# Altium PCB NIMBUS_BASEv2_B.PcbDoc (part 1 of 3)
Units mm, origin at the board's own origin, x right, y up, seen from the top; angles counter-clockwise.
Board outline 112.96 x 78 mm, 4 copper layers (Top Layer, Signal Layer 1, GND, Bottom Layer), stack 0.778 mm thick; 176 components, 193 nets, 813 pads, 983 vias.
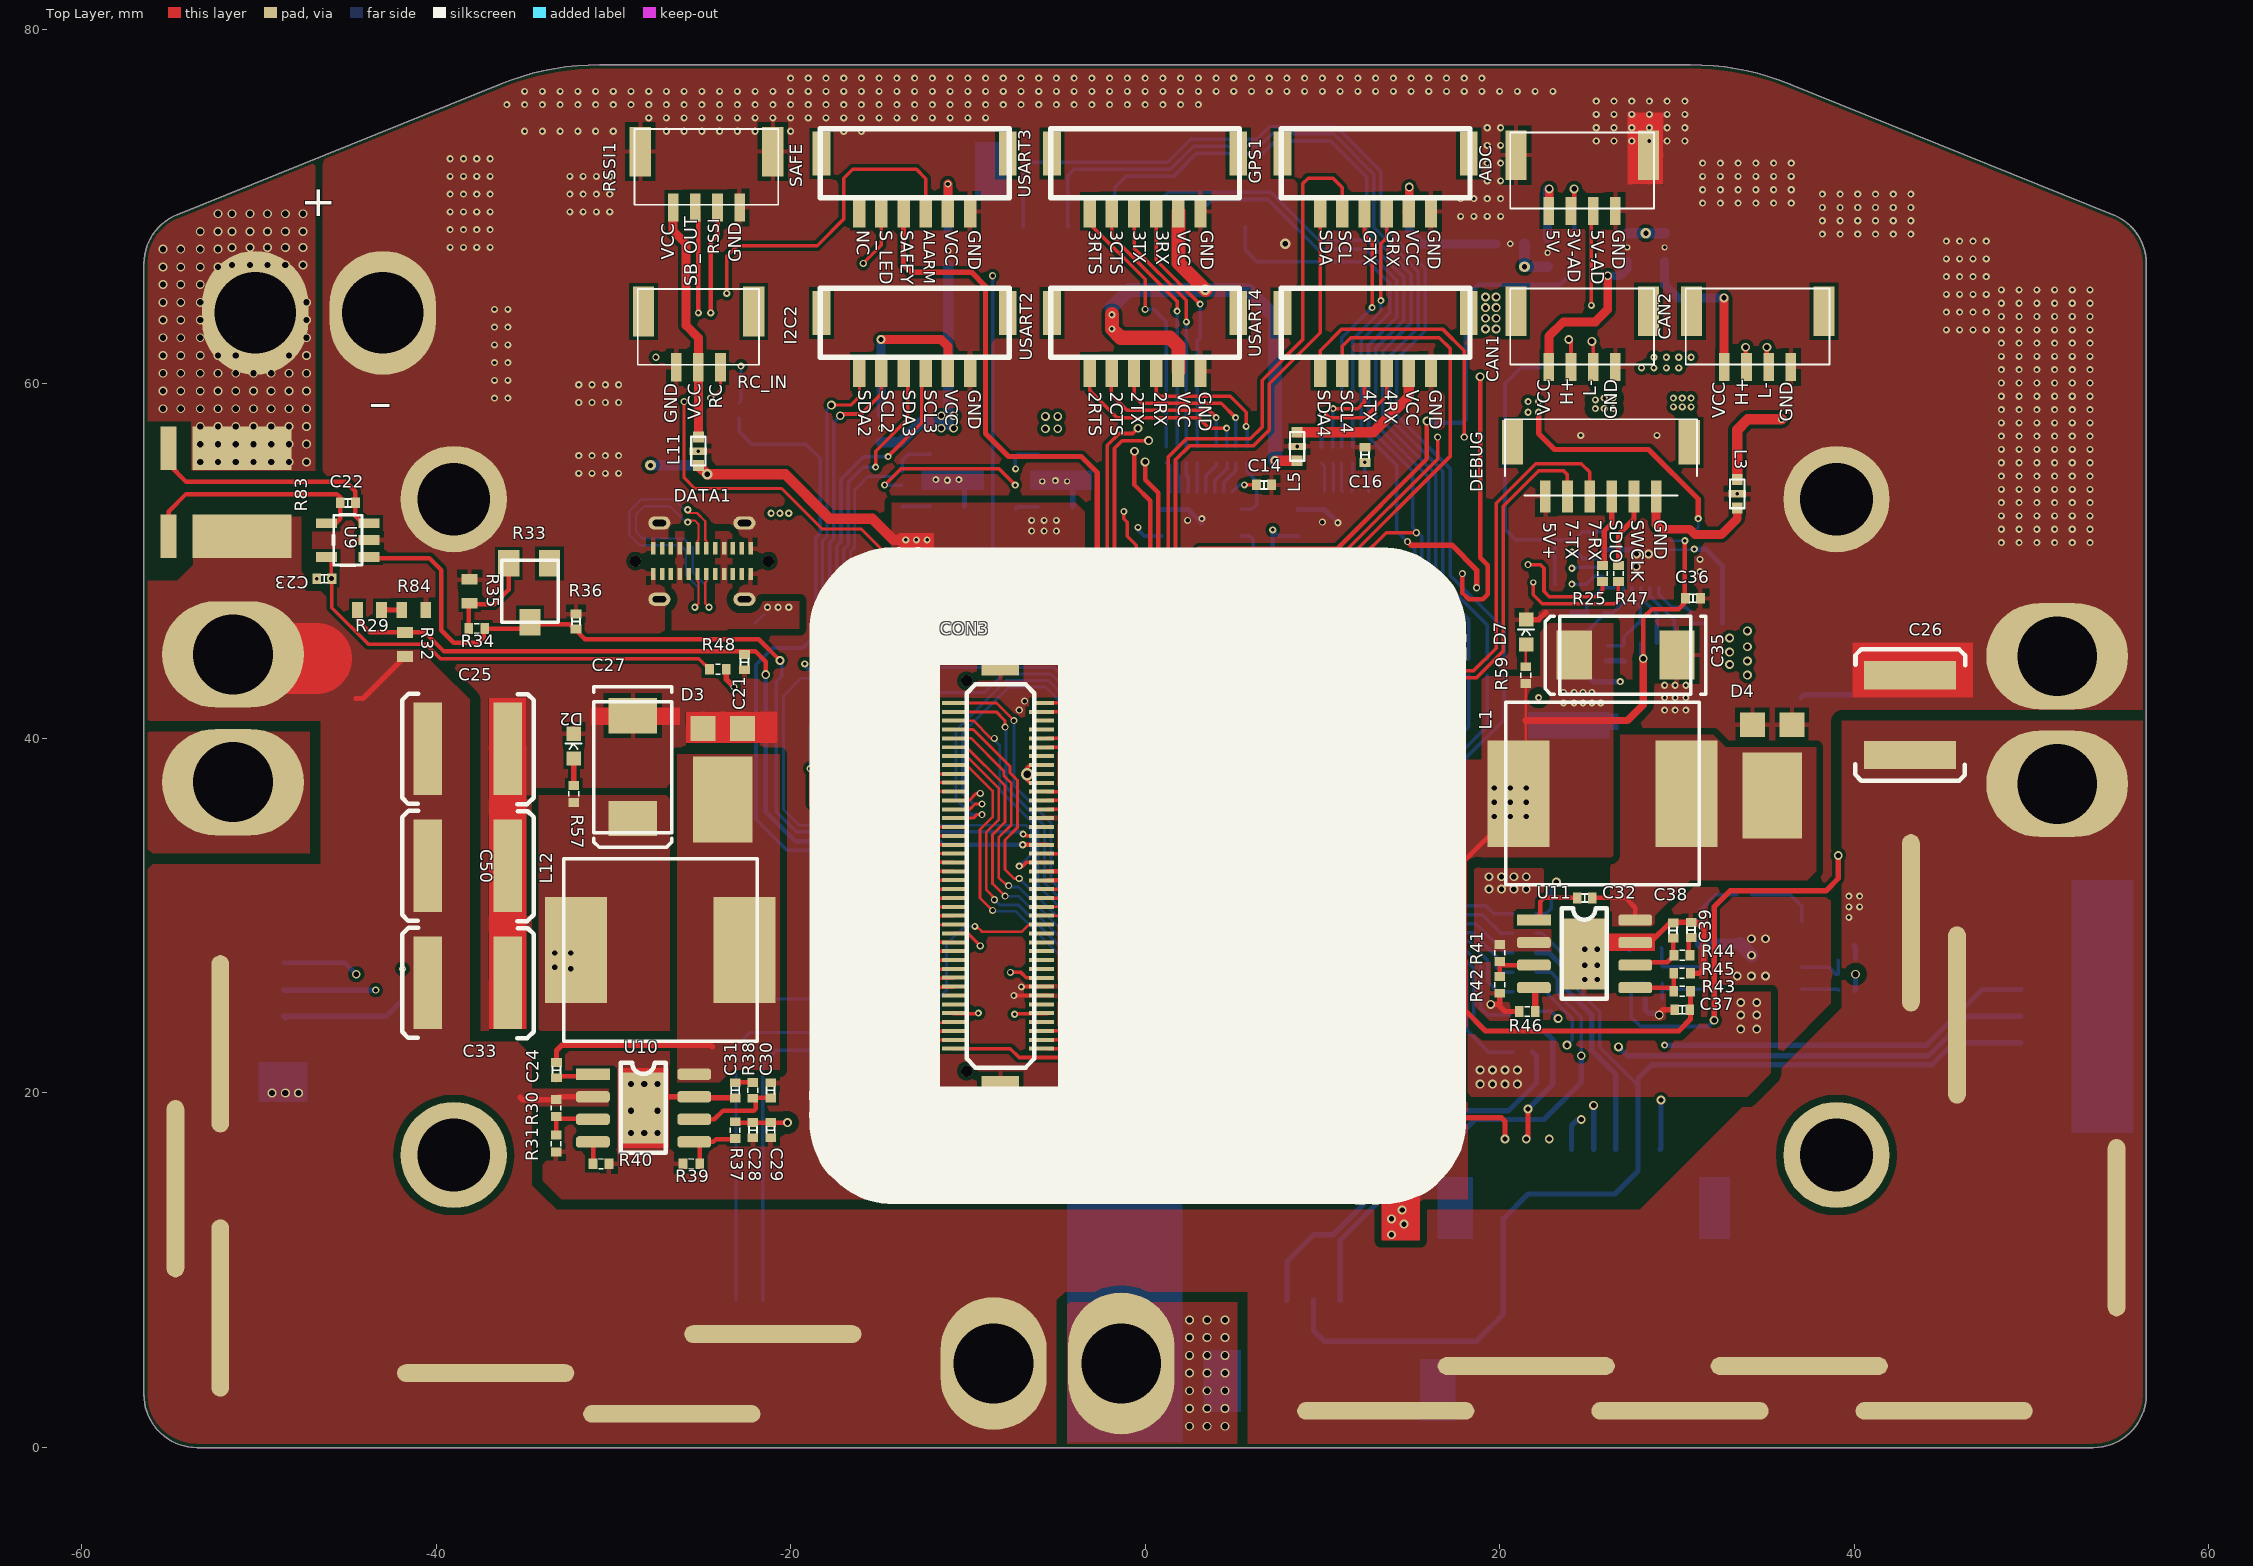
[diagram p0: Top Layer view]
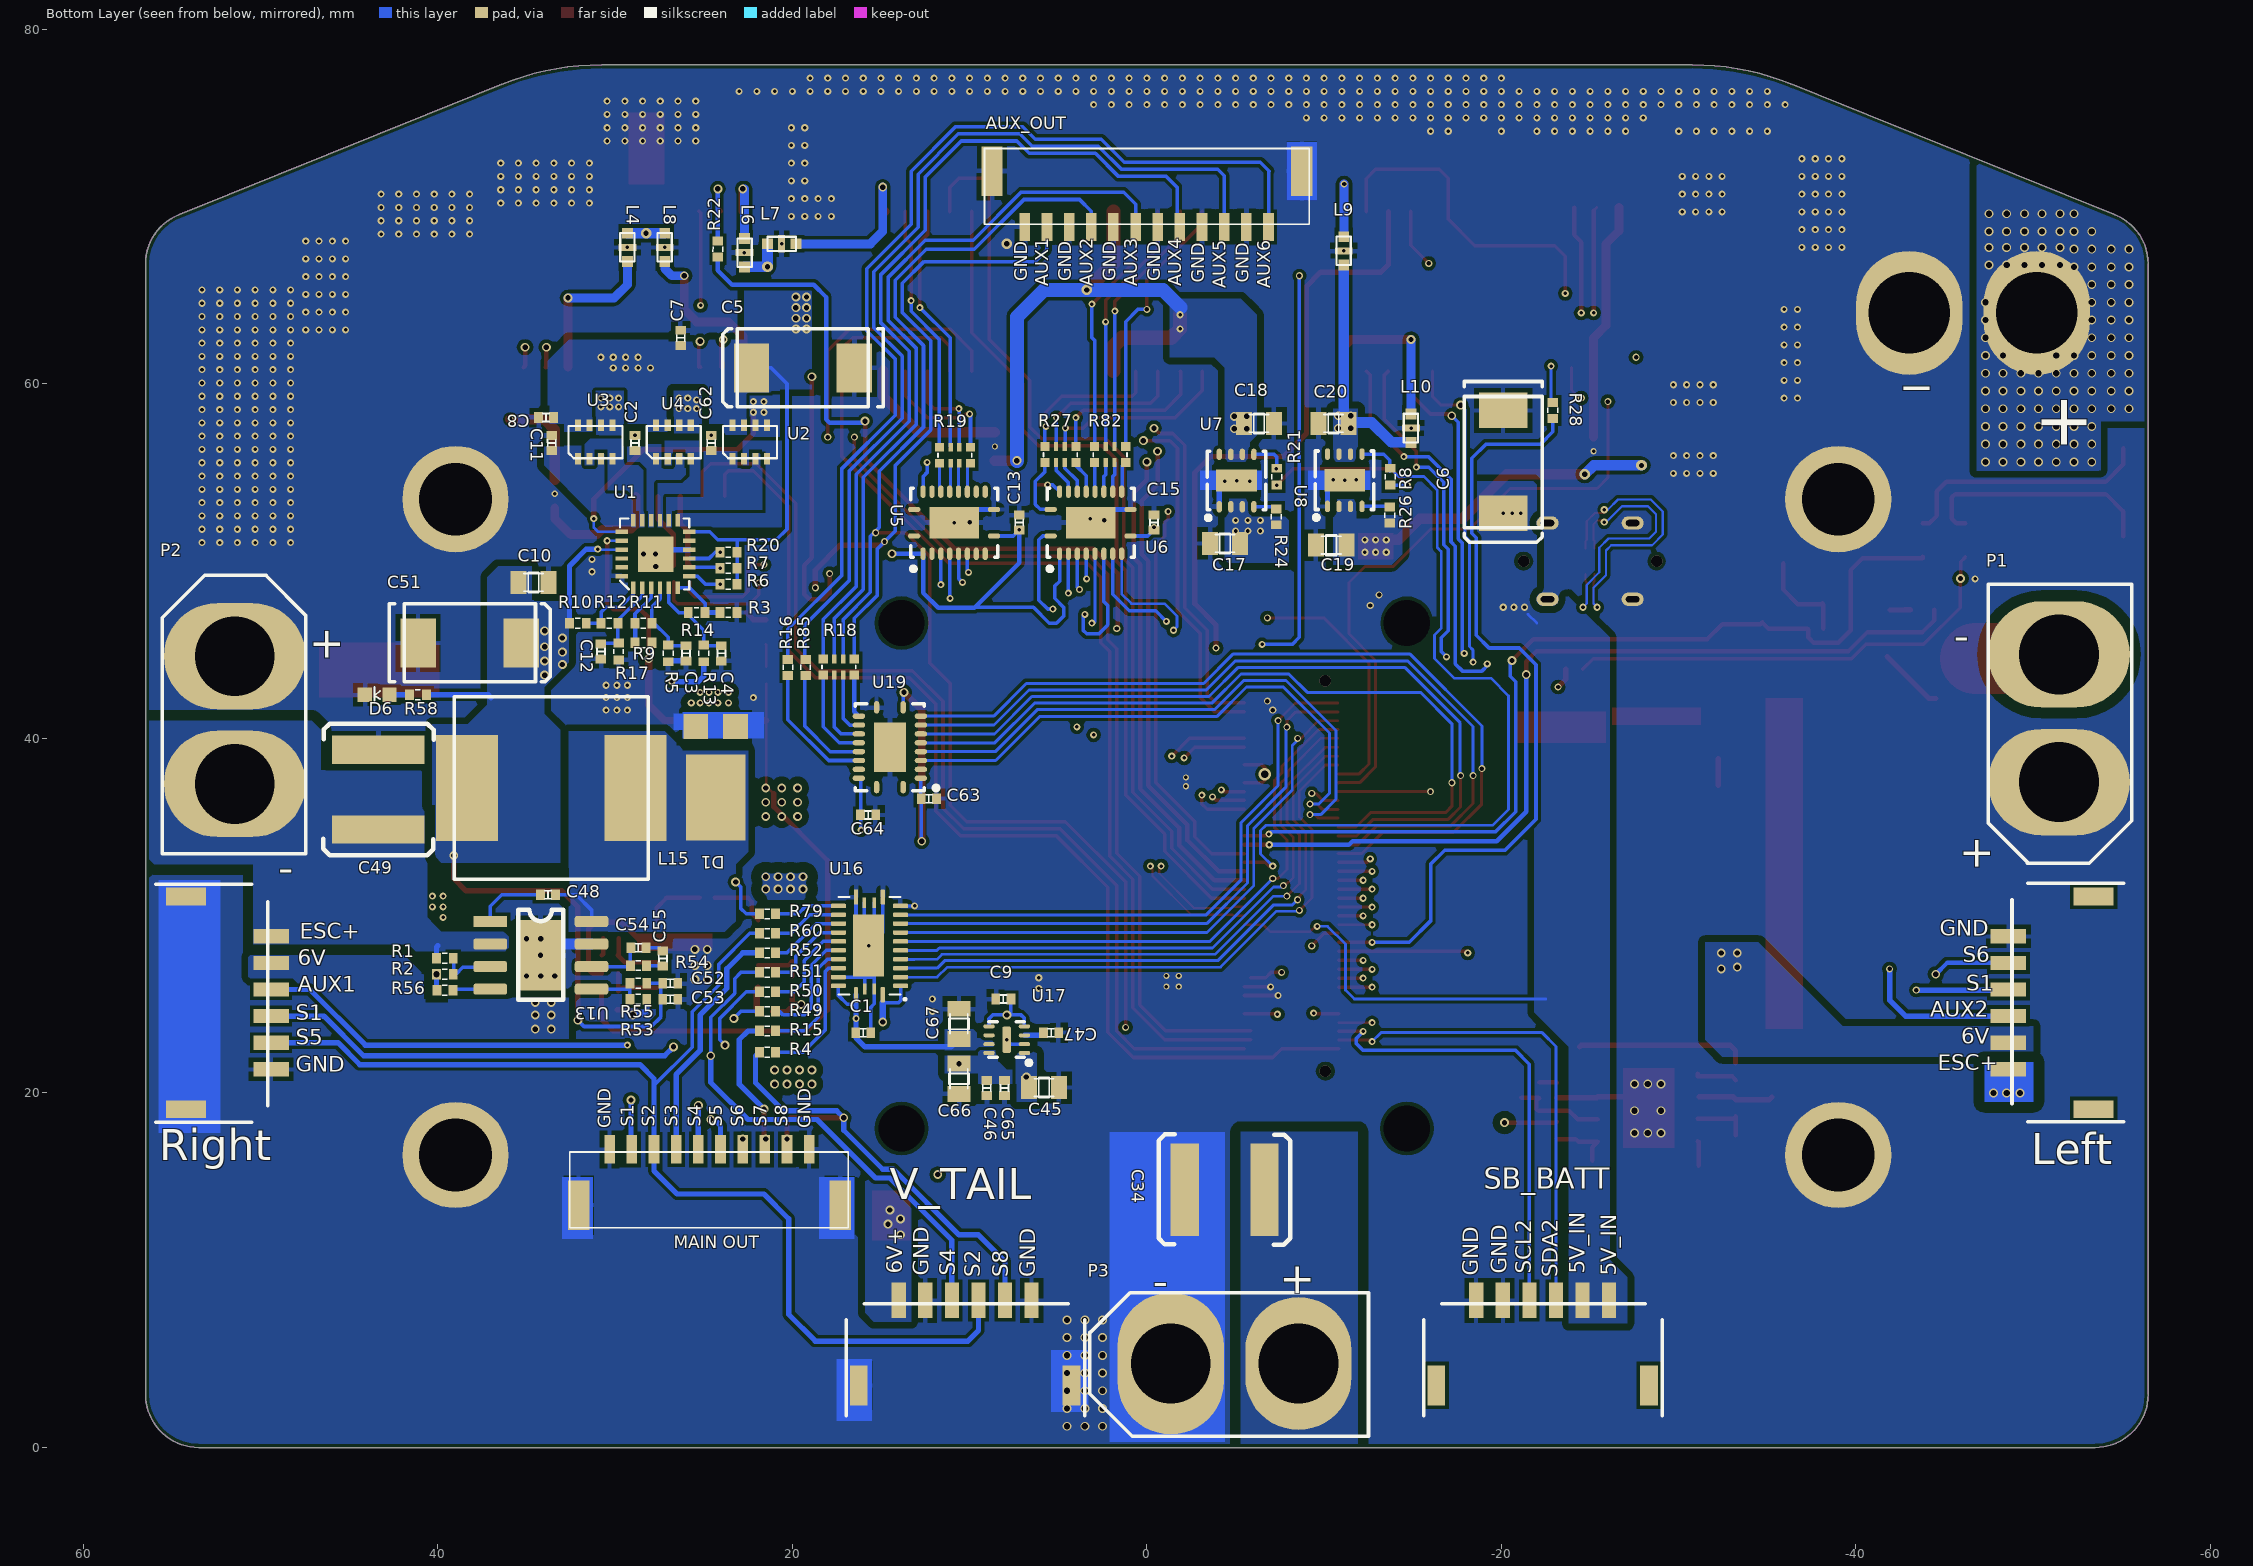
[diagram p1: Bottom Layer view, seen from below]
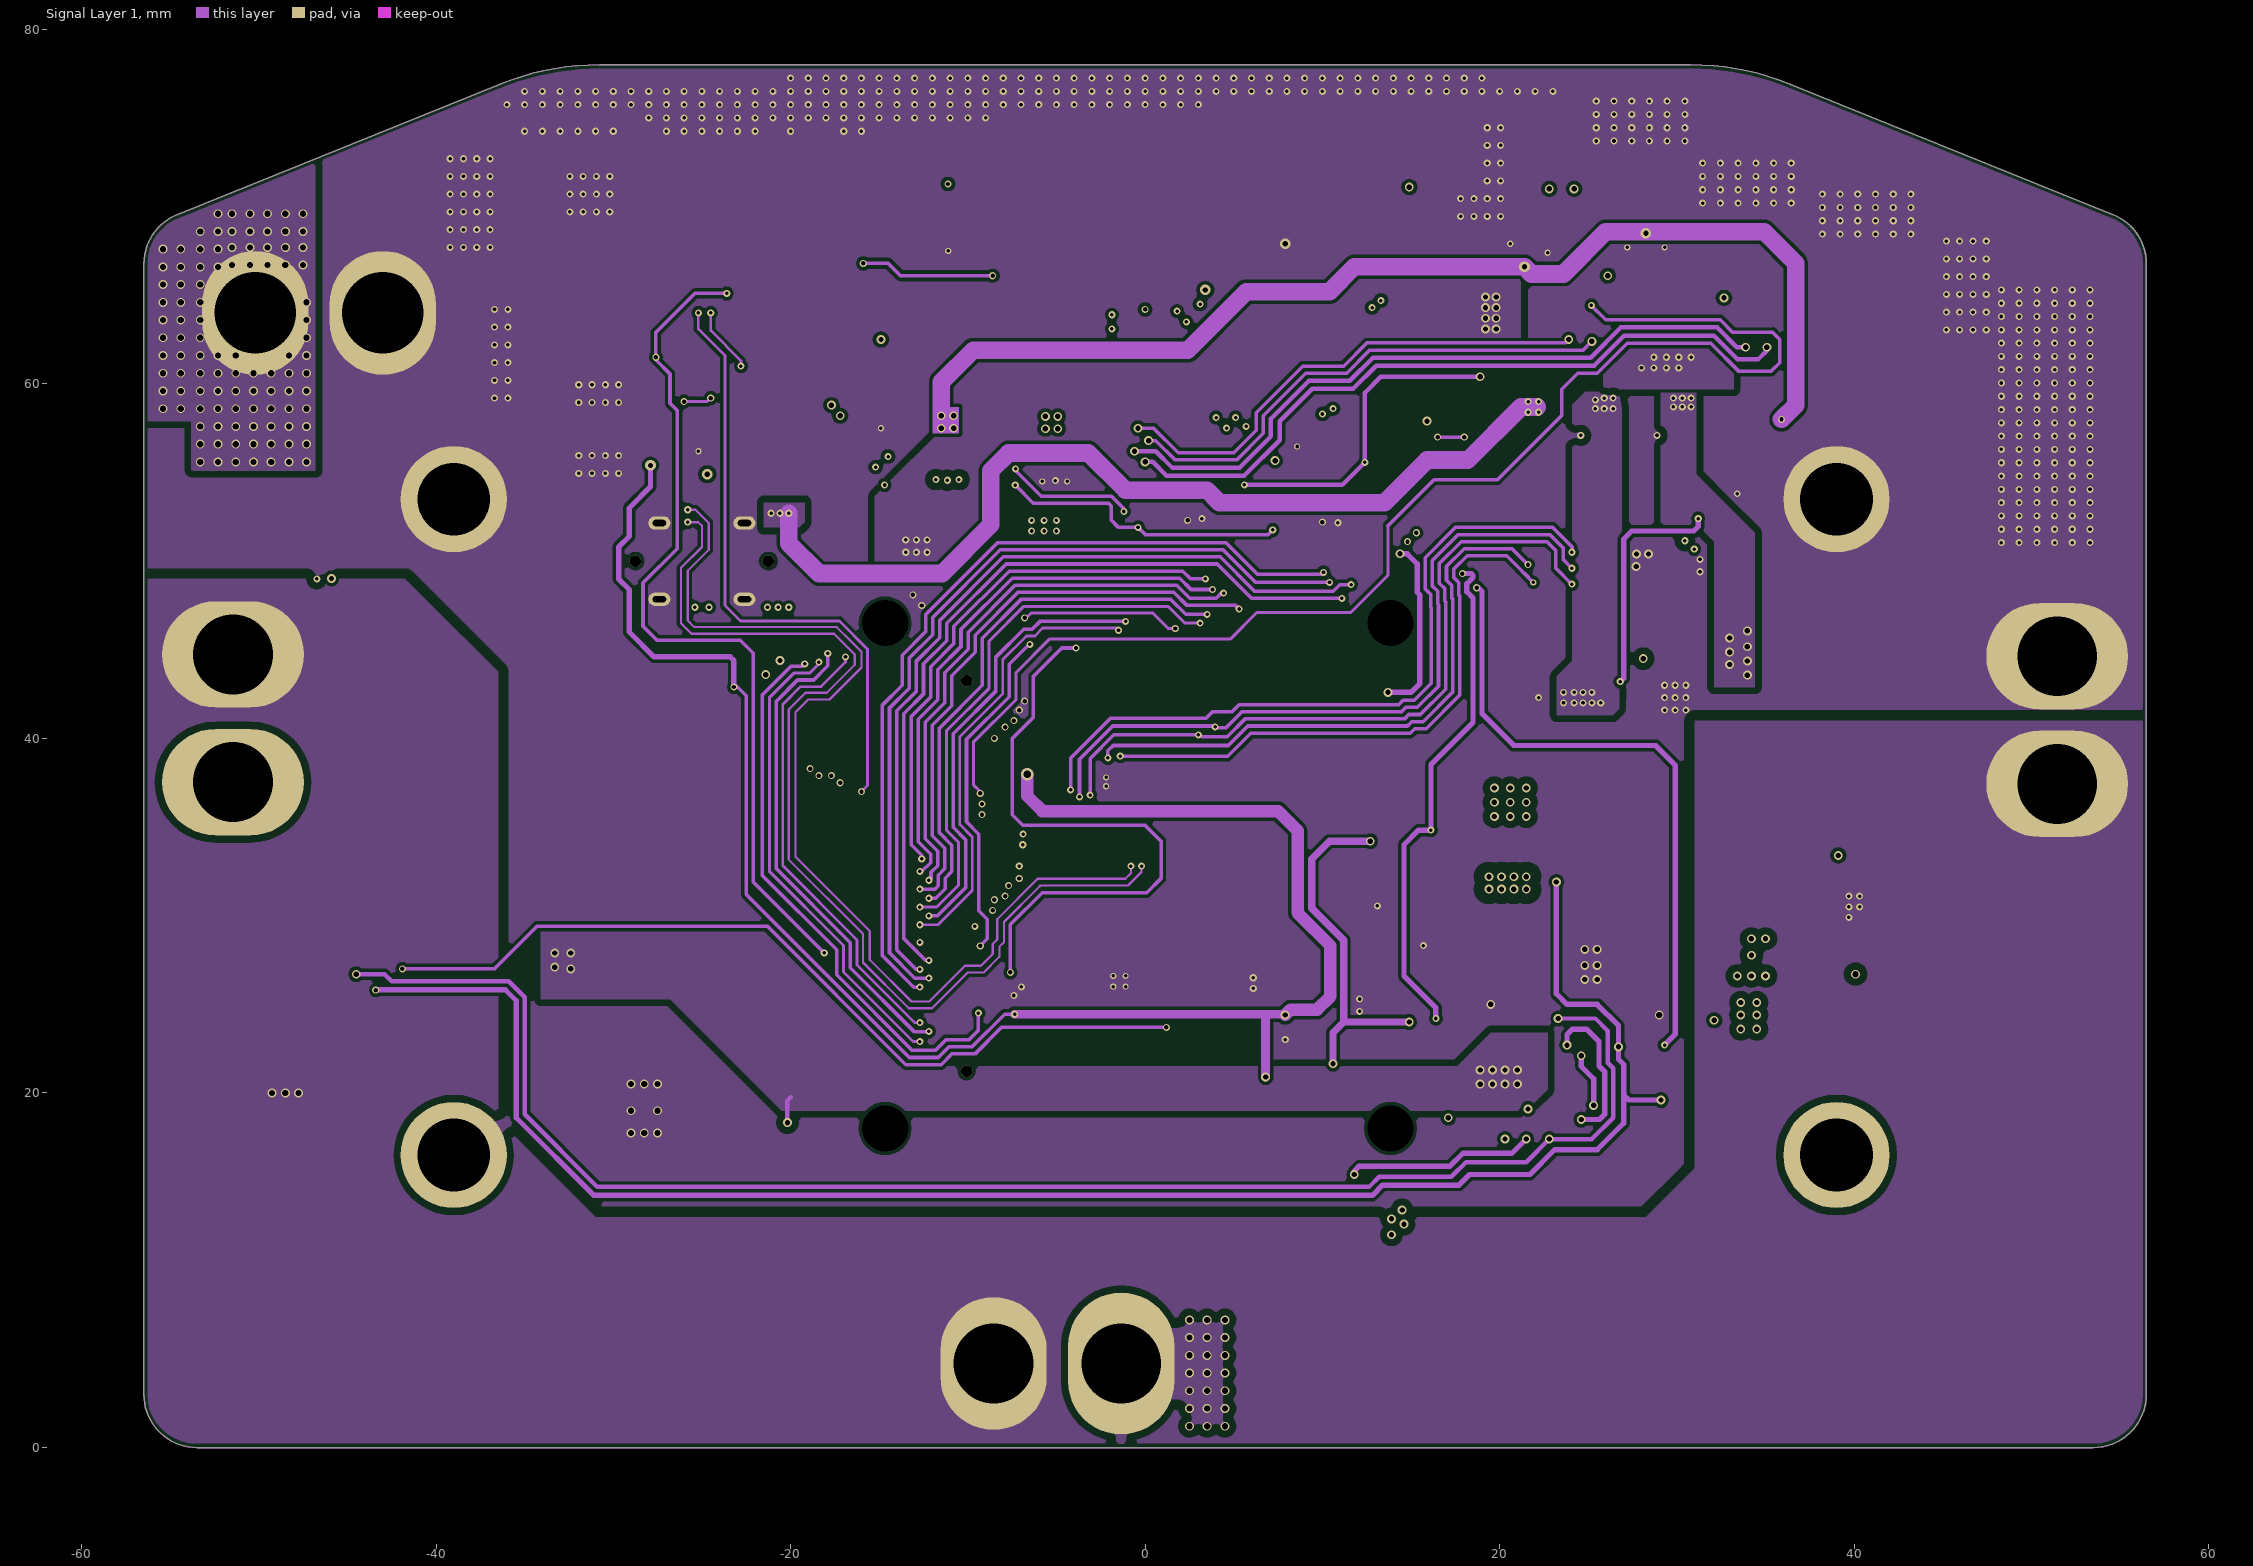
[diagram p2: Signal Layer 1]
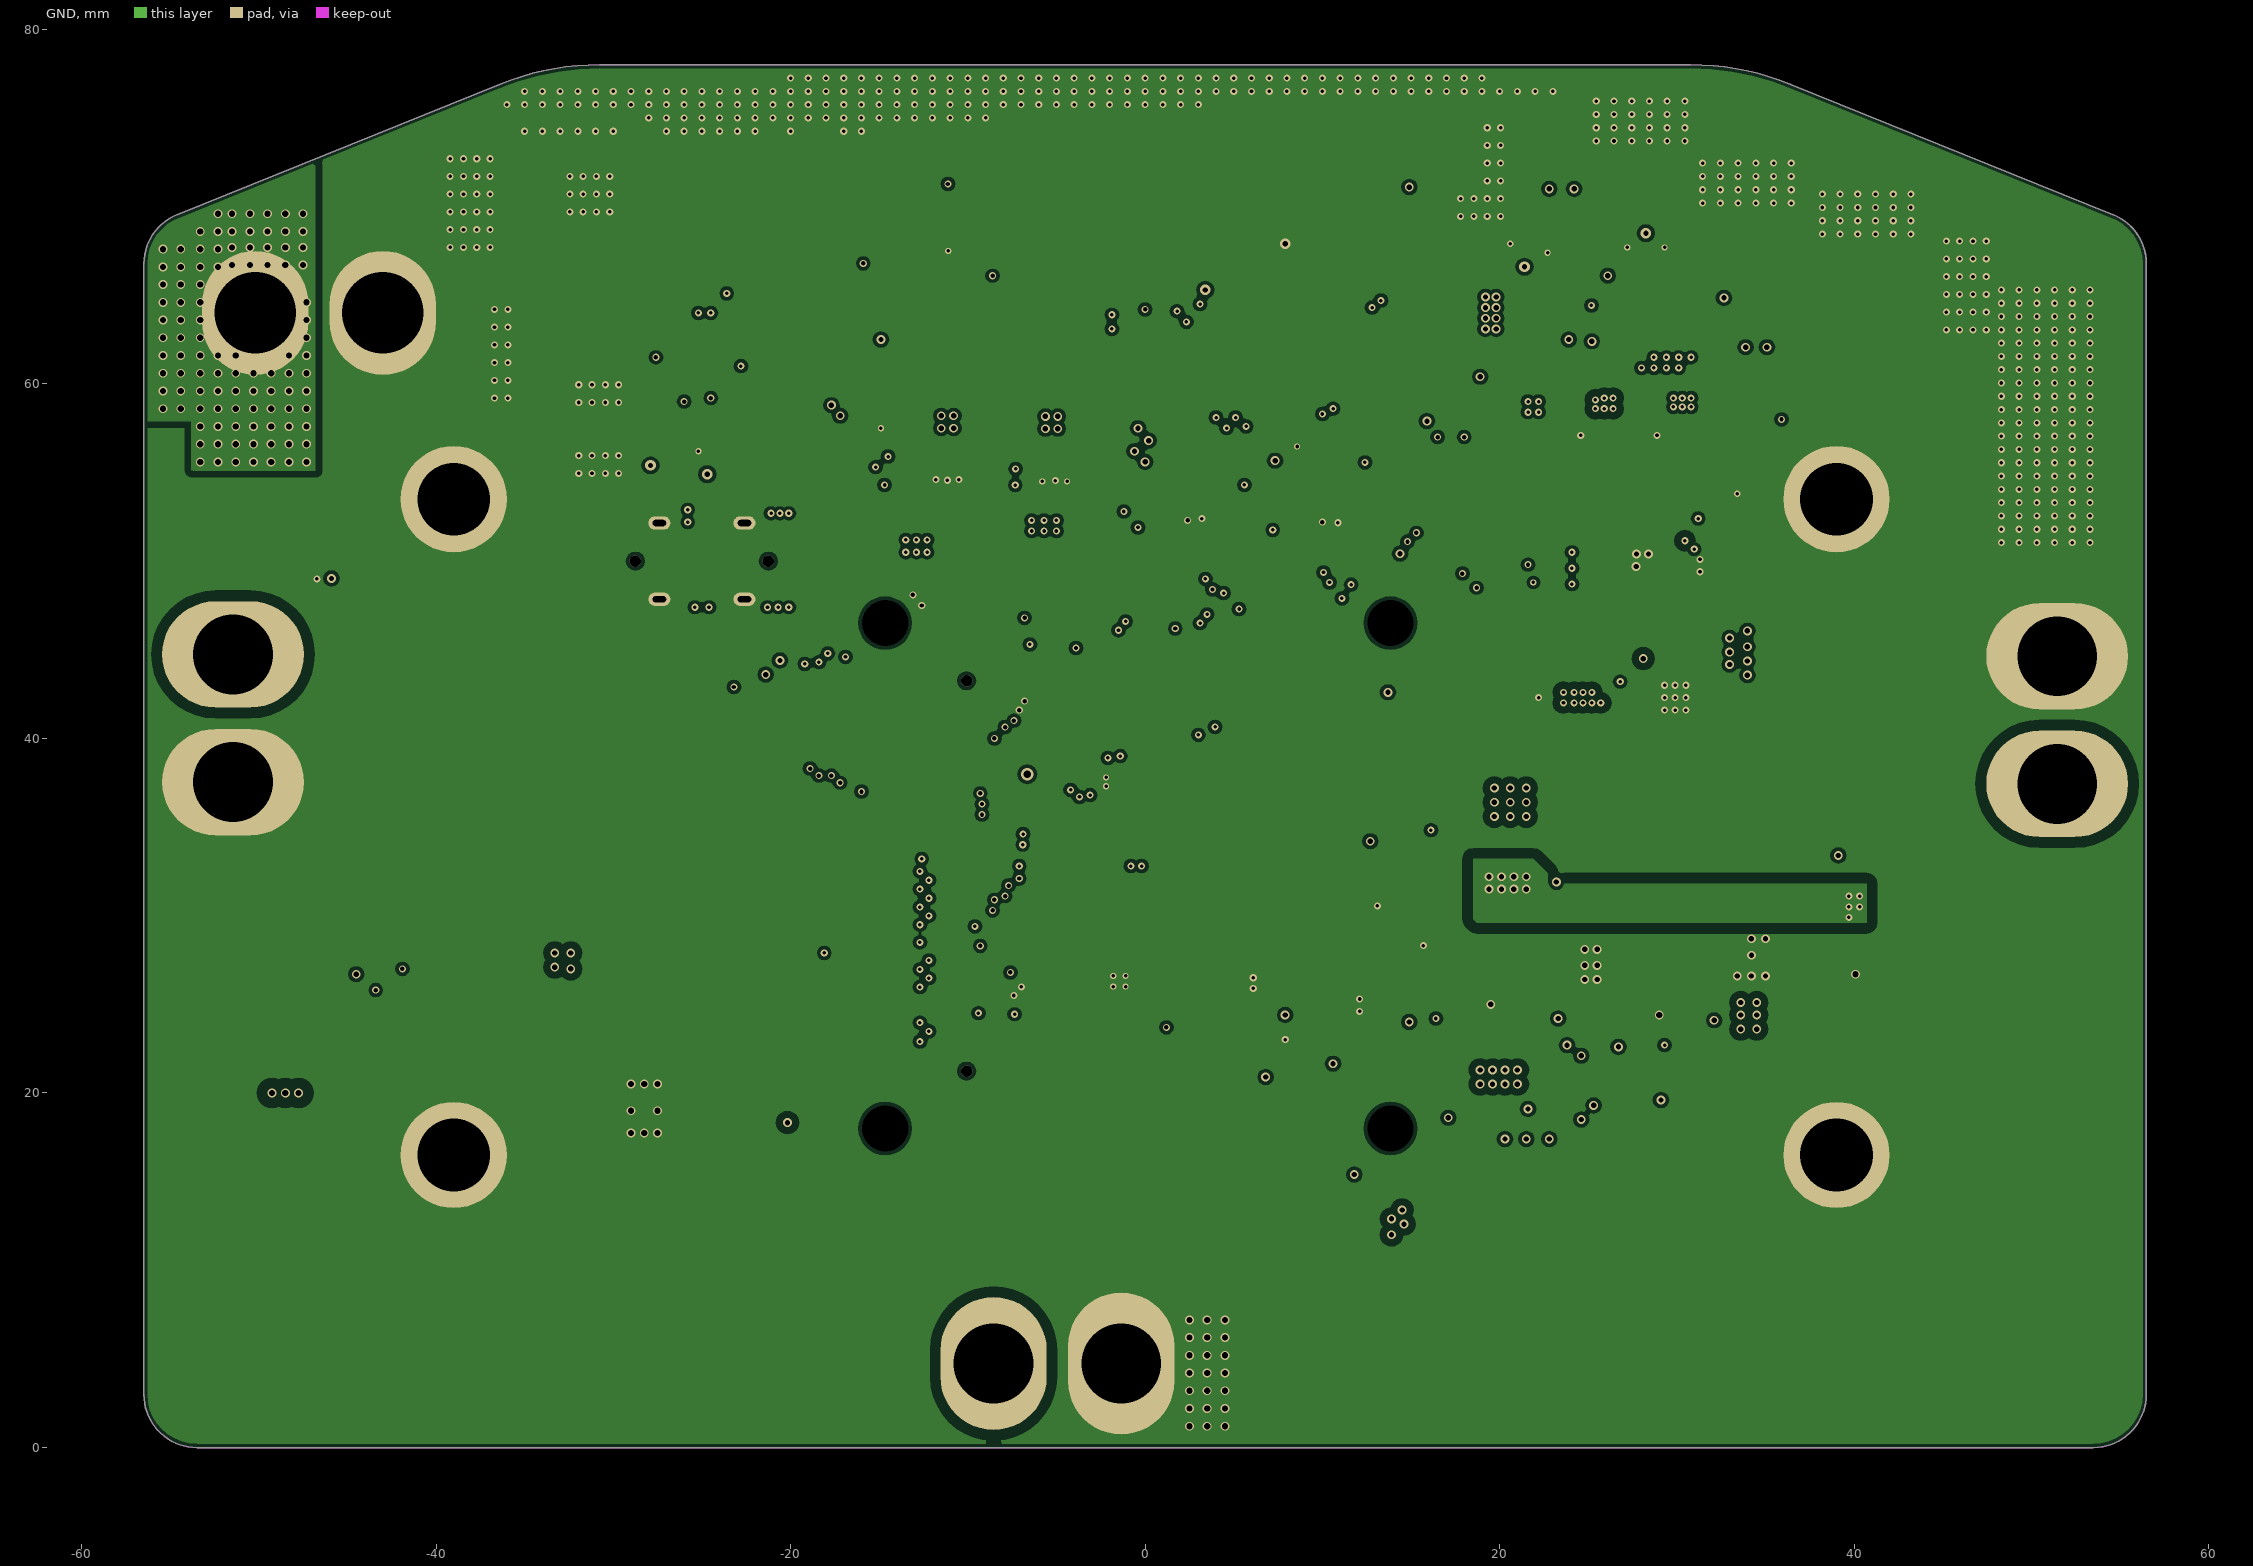
[diagram p3: GND]
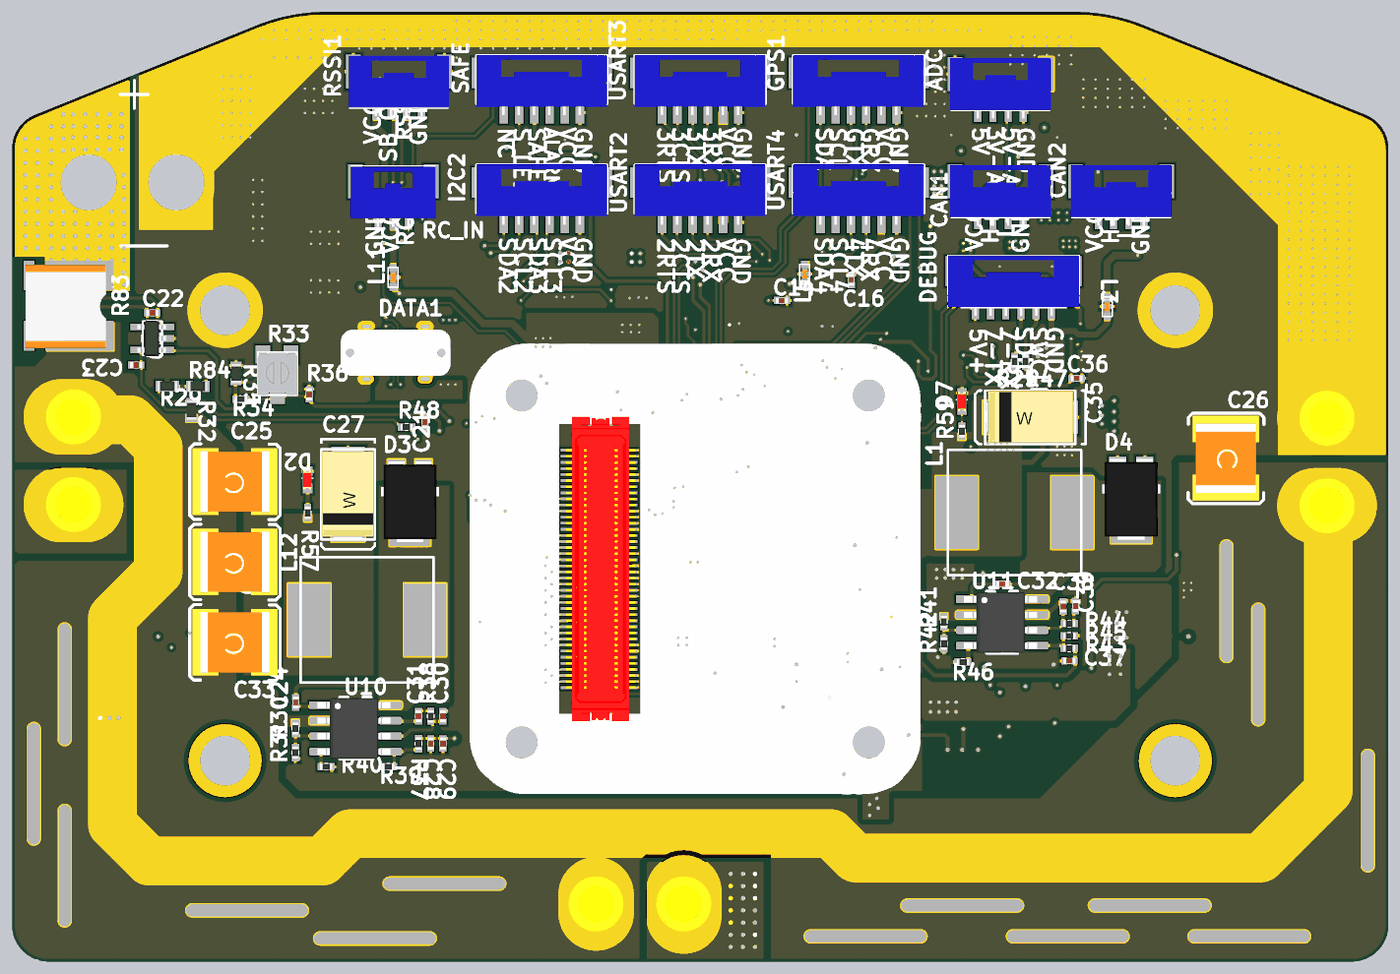
[diagram p6: 3D render of the assembled board from above, using the file's embedded part models]
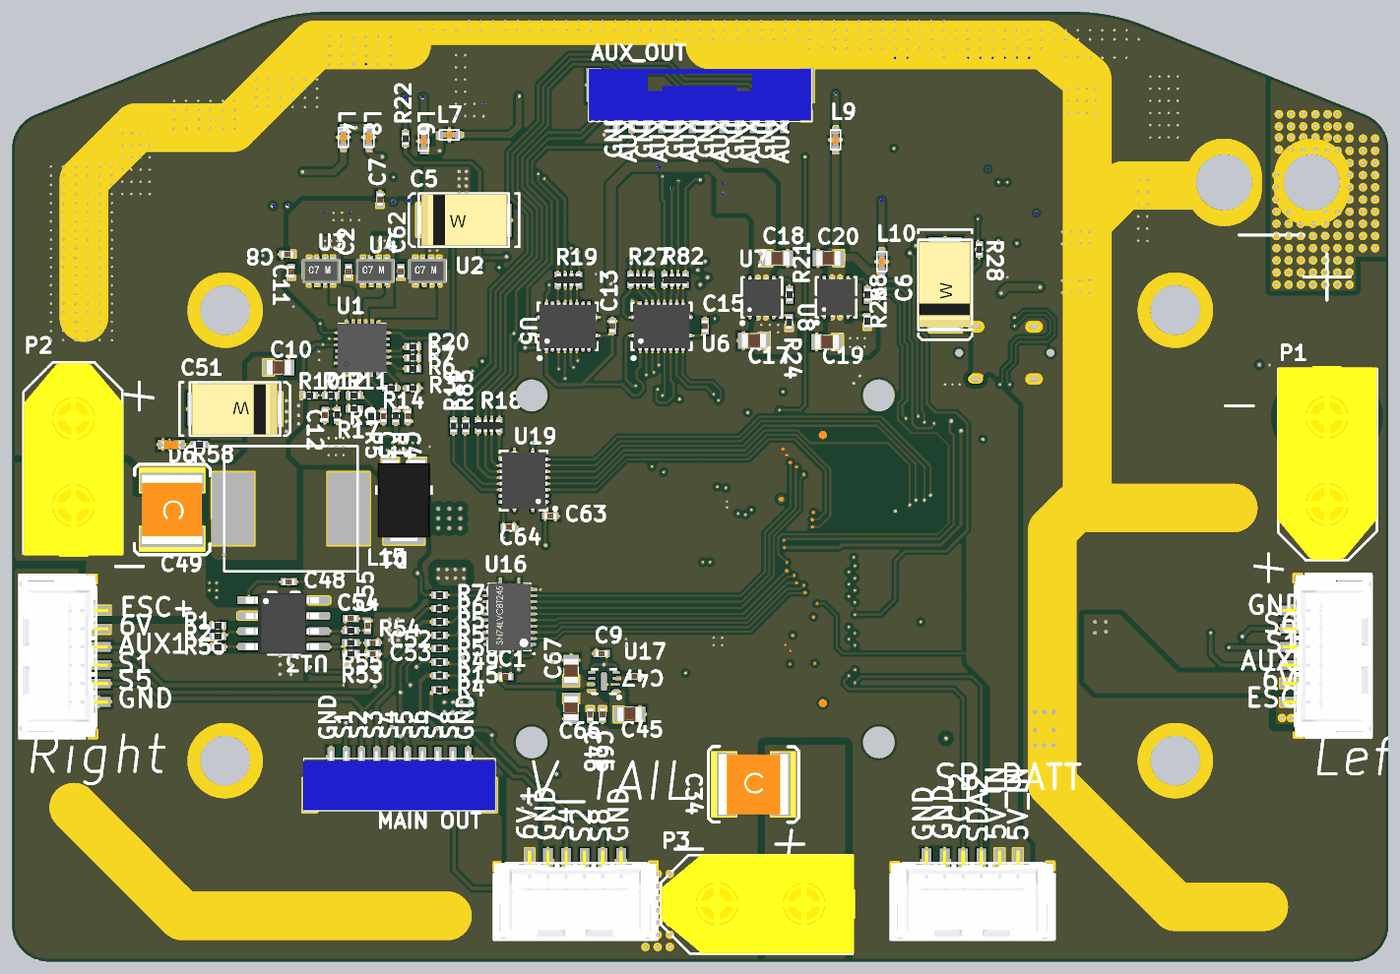
[diagram p7: 3D render of the assembled board from below, using the file's embedded part models]

## Layer stack, top to bottom
Top Solder: solder mask 0.0102, Solder Resist, Dk 3.5
Top Layer: signal copper 0.0356
Dielectric 1: core 0.254, FR-4, Dk 4.2
Signal Layer 1: signal copper 0.036
Dielectric 3: prepreg 0.127, Dk 4.2
GND: signal copper 0.036
Dielectric 2: core 0.254, Dk 4.2
Bottom Layer: signal copper 0.0356
Bottom Solder: solder mask 0.0102, Solder Resist, Dk 3.5

## Board outline
-56.482,3 -56.482,66.764 cw(c-53.482,66.764) -54.606,69.545 -36.383,76.908 cw(c-30.764,63) -30.764,78 30.764,78 cw(c30.764,63) 36.383,76.908 54.606,69.545 cw(c53.482,66.764) 56.482,66.764 56.482,3 cw(c53.482,3) 53.482,0 -53.482,0 cw(c-53.482,3)
